# Altium PCB carrier.PcbDoc (part 2 of 5)
Units mil, origin at the board's own origin, x right, y up, seen from the top; angles counter-clockwise.
Board outline 5511.81 x 3425.2 mil, 4 copper layers (Component Side, Power_layer1, Power_layer2, Solder Side), stack 65.912 mil thick; 384 components, 416 nets, 1916 pads, 853 vias.
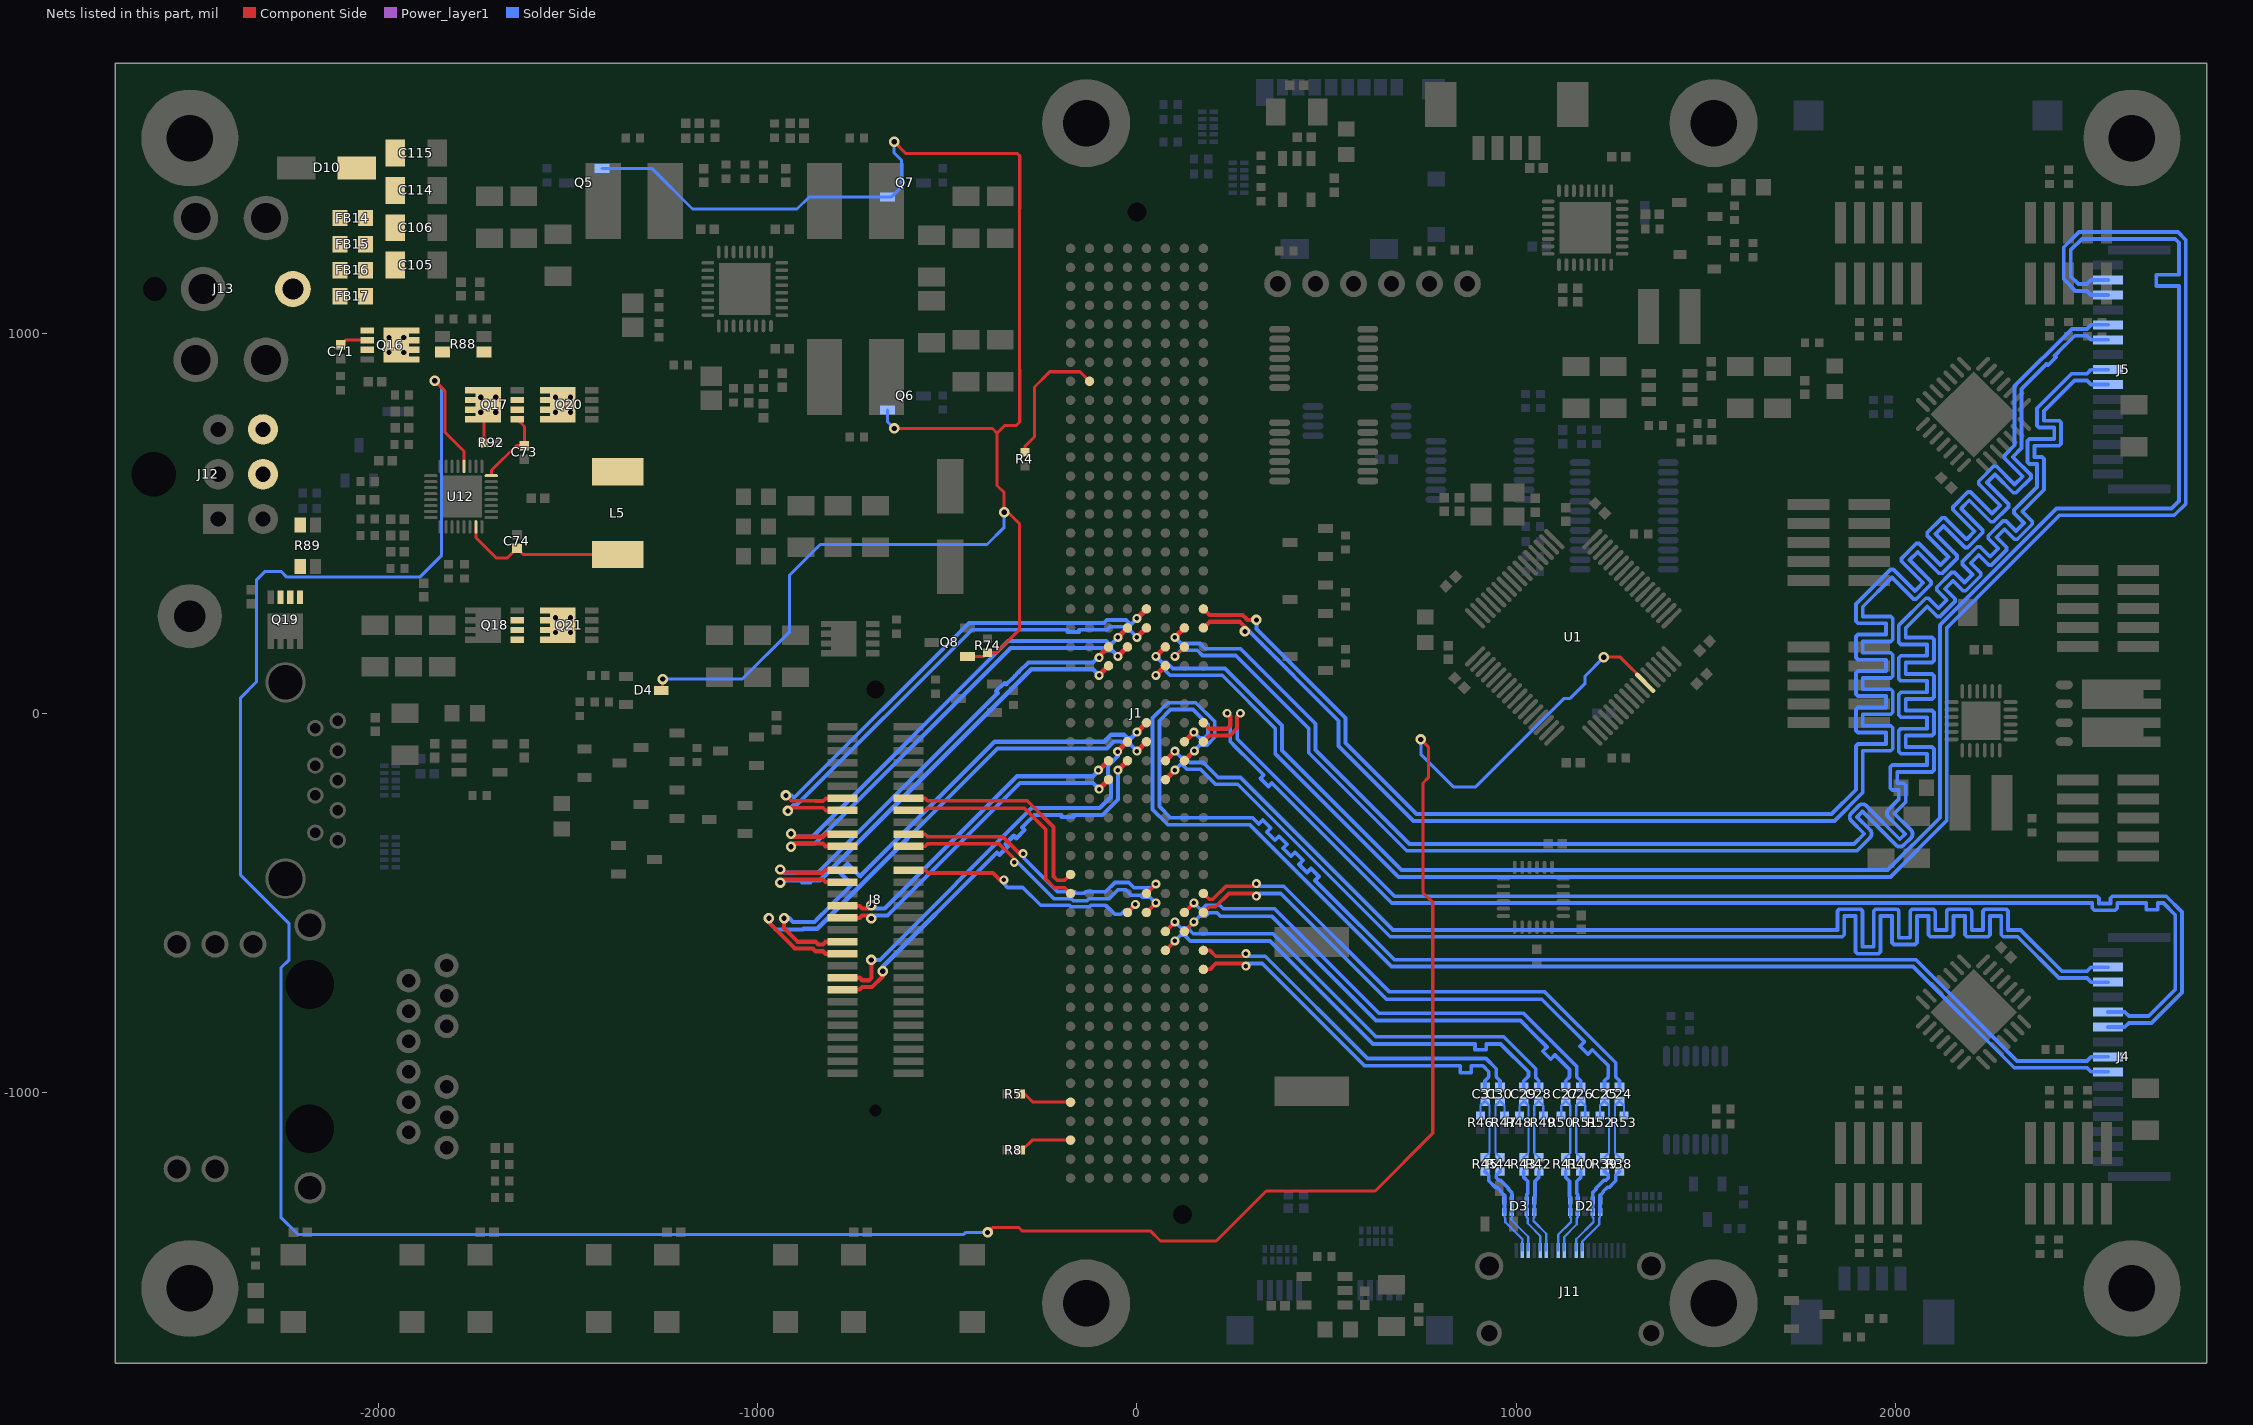
[diagram p4: the nets of this part, all layers, seen from the top]

## Footprints (in the part's own frame and the unit in brackets; to place one, negate y for a bottom-side part, rotate by r counter-clockwise, add the part's x,y. Pads: shape width x height; smd on the part's side, far side on the other; paste and mask are expansions set on the pad) (continued)
m3_pan_tight_round#3 [mm]
  round 6.5 hole 3.1: 1(0,0)
molex_microfit_2x6_90deg [mil]
  rect 80x80 hole 40: 1(118.11,0)
  round 80 hole 40: 2(0,0) 3(-118.11,0) 4(118.11,118.11) 5(0,118.11) 6(-118.11,118.11)
  round 35.43 hole 118.11: 7(0,-170)
  silkscreen extent -250,-350 250,40
molex_picoblade_1x4 [mm]
  rect 0.8x1.6 smd: 1(-1.875,2.9) 2(-0.625,2.9) 3(0.625,2.9) 4(1.875,2.9)
  rect 2.1x3 smd: TAB(-4.425,0) TAB(4.425,0)
  body extent -5.07,-1.97 5.08,3.23, height 3.4
molex_usd [mm] "104031-0811"
  rect 0.85x1.1 smd: 1(3.105,0.25) 2(2.005,0.25) 3(0.905,0.25) 4(-0.195,0.25) 5(-1.295,0.25) 6(-2.395,0.25) 7(-3.495,0.25)
  rect 0.75x1.1 smd: 8(-4.545,0.25)
  rect 1.17x1.8 smd: SHIELD(-5.755,0.6)
  rect 1.9x1.35 smd: SHIELD(-3.73,11.075) SHIELD(2.24,11.075)
  rect 1.55x1.35 smd: SHIELD(5.565,0.375)
  rect 1.2x1 smd: SW1(5.74,6.4) SW2(5.74,10.1)
  silkscreen extent -6,0 6,11.4, body extent -5.98,0 5.97,11.4, height 1.44
NCH_SON65P330X80_HS-9N [mm] "SON, 8-Leads, Body 3.30x3.30mm, Pitch 0.65mm, Thermal Pad 2.27x1.70mm, IPC Medium Density"
  rect 1.7x2.37 smd: D(0.425,0)
  rect 0.9x0.42 smd: D(1.515,0.975) D(1.515,-0.325) D(1.515,0.325) D(1.515,-0.975) G(-1.515,-0.975) S(-1.515,0.975) S(-1.515,-0.325) S(-1.515,0.325)
  silkscreen extent -2.28,-1.83 1.83,1.87, body extent -1.68,-1.68 1.68,1.68, height 0.8
NCH_SOT95P237X110-3N [mm] "SOT23, 3-Leads, Body 2.90x2.37mm, Pitch 0.95mm, IPC Medium Density"
  rect 1x0.6 smd: D(1.2,0) G(-1.2,0.95) S(-1.2,-0.95)
  silkscreen extent -1.33,-1.5 0.7,1.92, body extent -0.7,-1.5 0.7,1.5, height 1.1
NPN_SOT95P230X110-3N [mm] "SOT23, 3-Leads, Body 2.90x2.30mm, Pitch 0.95mm, IPC Medium Density"
  rect 0.9x0.6 smd: B(-1.15,0.95) C(1.15,0) E(-1.15,-0.95)
  silkscreen extent -1.28,-1.5 0.7,1.92, body extent -0.7,-1.5 0.7,1.5, height 1.1
NXP_LFPAK56D127P610X105-8N [mm] "SOIC, 8-Leads, Body 5.13x4.58mm, Pitch 1.27mm, IPC Medium Density"
  oval 1.15x0.6 smd: B1(-2.925,0.635) B2(-2.925,-1.905) E1(-2.925,1.905) E2(-2.925,-0.635)
  rect 4.1x1.97 smd: C1(0.32,1.27) C2(0.32,-1.27)
  rect 1.25x0.7 smd: C1(2.925,0.635)
  rect 1.15x0.7 smd: C1(2.925,1.905) C2(2.925,-1.905) C2(2.925,-0.635)
  silkscreen extent -3.05,-2.65 1.95,2.88, body extent -3.07,-2.55 3.09,2.55, height 1.05
NXP_QFN65P600X600X100_HS-29M [mm] "QFN, 28-Leads, Body 6.00x6.00mm, Pitch 0.65mm, Thermal Pad 4.10x4.10mm, IPC Low Density"
  oval 1.2x0.3 smd: 1(-2.85,1.95) 2(-2.85,1.3) 3(-2.85,0.65) 4(-2.85,0) 5(-2.85,-0.65) 6(-2.85,-1.3) 7(-2.85,-1.95) 15(2.85,-1.95) 16(2.85,-1.3) 17(2.85,-0.65) 18(2.85,0) 19(2.85,0.65) 20(2.85,1.3) 21(2.85,1.95)
  oval 0.3x1.2 smd: 8(-1.95,-2.85) 9(-1.3,-2.85) 10(-0.65,-2.85) 11(0,-2.85) 12(0.65,-2.85) 13(1.3,-2.85) 14(1.95,-2.85) 22(1.95,2.85) 23(1.3,2.85) 24(0.65,2.85) 25(0,2.85) 26(-0.65,2.85) 27(-1.3,2.85) 28(-1.95,2.85)
  rect 4.1x4.1 smd: 29(0,0)
  silkscreen extent -3.97,-3.2 3.2,3.2, body extent -3.05,-3.05 3.05,3.05, height 1
pui_audio_speaker [mm]
  rect 2x2 smd: 1(-8,1) 2(8,1)
  silkscreen extent -9,0 9,13
R1005[0402] [mm] "1005[0402]"
  rect 0.55x0.6 smd: 1(-0.475,0) 2(0.475,0)
  body extent -0.55,-0.3 0.55,0.3, height 0.4
SC_DSK-3R3H224U-HL [mm] "Aluminum Electrolytic Capacitor, Body 7.70x6.80x3.00mm, IPC Low Density"
  rect 2x5 smd: 1(-5,0) 2(5,0)
  silkscreen extent -3.85,-3.4 3.85,3.4, body extent -3.4,-3.4 3.4,3.4, height 3.5
SEAM-50-02.0-XX-08-X-A [mil]
  round 25 smd paste+5: A1(1225,175) A2(1175,175) A3(1125,175) A4(1075,175) A5(1025,175) A6(975,175) A7(925,175) A8(875,175) A9(825,175) A10(775,175) A11(725,175) A12(675,175) A13(625,175) A14(575,175) A15(525,175) A16(475,175) A17(425,175) A18(375,175) A19(325,175) A20(275,175) A21(225,175) A22(175,175) A23(125,175) A24(75,175) A25(25,175) A26(-25,175) A27(-75,175) A28(-125,175) A29(-175,175) A30(-225,175) A31(-275,175) A32(-325,175) A33(-375,175) A34(-425,175) A35(-475,175) A36(-525,175) A37(-575,175) A38(-625,175) A39(-675,175) A40(-725,175) A41(-775,175) A42(-825,175) A43(-875,175) A44(-925,175) A45(-975,175) A46(-1025,175) A47(-1075,175) A48(-1125,175) A49(-1175,175) A50(-1225,175) B1(1225,125) B2(1175,125) B3(1125,125) B4(1075,125) B5(1025,125) B6(975,125) B7(925,125) B8(875,125) B9(825,125) B10(775,125) B11(725,125) B12(675,125) B13(625,125) B14(575,125) B15(525,125) B16(475,125) B17(425,125) B18(375,125) B19(325,125) B20(275,125) B21(225,125) B22(175,125) B23(125,125) B24(75,125) B25(25,125) B26(-25,125) B27(-75,125) B28(-125,125) B29(-175,125) B30(-225,125) B31(-275,125) B32(-325,125) B33(-375,125) B34(-425,125) B35(-475,125) B36(-525,125) B37(-575,125) B38(-625,125) B39(-675,125) B40(-725,125) B41(-775,125) B42(-825,125) B43(-875,125) B44(-925,125) B45(-975,125) B46(-1025,125) B47(-1075,125) B48(-1125,125) B49(-1175,125) B50(-1225,125) C1(1225,75) C2(1175,75) C3(1125,75) C4(1075,75) C5(1025,75) C6(975,75) C7(925,75) C8(875,75) C9(825,75) C10(775,75) C11(725,75) C12(675,75) C13(625,75) C14(575,75) C15(525,75) C16(475,75) C17(425,75) C18(375,75) C19(325,75) C20(275,75) C21(225,75) C22(175,75) C23(125,75) C24(75,75) C25(25,75) C26(-25,75) C27(-75,75) C28(-125,75) C29(-175,75) C30(-225,75) C31(-275,75) C32(-325,75) C33(-375,75) C34(-425,75) C35(-475,75) C36(-525,75) C37(-575,75) C38(-625,75) C39(-675,75) C40(-725,75) C41(-775,75) C42(-825,75) C43(-875,75) C44(-925,75) C45(-975,75) C46(-1025,75) C47(-1075,75) C48(-1125,75) C49(-1175,75) C50(-1225,75) D1(1225,25) D2(1175,25) D3(1125,25) D4(1075,25) D5(1025,25) D6(975,25) D7(925,25) D8(875,25) D9(825,25) D10(775,25) D11(725,25) D12(675,25) D13(625,25) D14(575,25) D15(525,25) D16(475,25) D17(425,25) D18(375,25) D19(325,25) D20(275,25) D21(225,25) D22(175,25) D23(125,25) D24(75,25) D25(25,25) D26(-25,25) D27(-75,25) D28(-125,25) D29(-175,25) D30(-225,25) D31(-275,25) D32(-325,25) D33(-375,25) D34(-425,25) D35(-475,25) D36(-525,25) D37(-575,25) D38(-625,25) D39(-675,25) D40(-725,25) D41(-775,25) D42(-825,25) D43(-875,25) D44(-925,25) D45(-975,25) D46(-1025,25) D47(-1075,25) D48(-1125,25) D49(-1175,25) D50(-1225,25) E1(1225,-25) E2(1175,-25) E3(1125,-25) E4(1075,-25) E5(1025,-25) E6(975,-25) E7(925,-25) E8(875,-25) E9(825,-25) E10(775,-25) E11(725,-25) E12(675,-25) E13(625,-25) E14(575,-25) E15(525,-25) E16(475,-25) E17(425,-25) E18(375,-25) E19(325,-25) E20(275,-25) E21(225,-25) E22(175,-25) E23(125,-25) E24(75,-25) E25(25,-25) E26(-25,-25) E27(-75,-25) E28(-125,-25) E29(-175,-25) E30(-225,-25) E31(-275,-25) E32(-325,-25) E33(-375,-25) E34(-425,-25) E35(-475,-25) E36(-525,-25) E37(-575,-25) E38(-625,-25) E39(-675,-25) E40(-725,-25) E41(-775,-25) E42(-825,-25) E43(-875,-25) E44(-925,-25) E45(-975,-25) E46(-1025,-25) E47(-1075,-25) E48(-1125,-25) E49(-1175,-25) E50(-1225,-25) F1(1225,-75) F2(1175,-75) F3(1125,-75) F4(1075,-75) F5(1025,-75) F6(975,-75) F7(925,-75) F8(875,-75) F9(825,-75) F10(775,-75) F11(725,-75) F12(675,-75) F13(625,-75) F14(575,-75) F15(525,-75) F16(475,-75) F17(425,-75) F18(375,-75) F19(325,-75) F20(275,-75) F21(225,-75) F22(175,-75) F23(125,-75) F24(75,-75) F25(25,-75) F26(-25,-75) F27(-75,-75) F28(-125,-75) F29(-175,-75) F30(-225,-75) F31(-275,-75) F32(-325,-75) F33(-375,-75) F34(-425,-75) F35(-475,-75) F36(-525,-75) F37(-575,-75) F38(-625,-75) F39(-675,-75) F40(-725,-75) F41(-775,-75) F42(-825,-75) F43(-875,-75) F44(-925,-75) F45(-975,-75) F46(-1025,-75) F47(-1075,-75) F48(-1125,-75) F49(-1175,-75) F50(-1225,-75) G1(1225,-125) G2(1175,-125) G3(1125,-125) G4(1075,-125) G5(1025,-125) G6(975,-125) G7(925,-125) G8(875,-125) G9(825,-125) G10(775,-125) G11(725,-125) G12(675,-125) G13(625,-125) G14(575,-125) G15(525,-125) G16(475,-125) G17(425,-125) G18(375,-125) G19(325,-125) G20(275,-125) G21(225,-125) G22(175,-125) G23(125,-125) G24(75,-125) G25(25,-125) G26(-25,-125) G27(-75,-125) G28(-125,-125) G29(-175,-125) G30(-225,-125) G31(-275,-125) G32(-325,-125) G33(-375,-125) G34(-425,-125) G35(-475,-125) G36(-525,-125) G37(-575,-125) G38(-625,-125) G39(-675,-125) G40(-725,-125) G41(-775,-125) G42(-825,-125) G43(-875,-125) G44(-925,-125) G45(-975,-125) G46(-1025,-125) G47(-1075,-125) G48(-1125,-125) G49(-1175,-125) G50(-1225,-125) H1(1225,-175) H2(1175,-175) H3(1125,-175) H4(1075,-175) H5(1025,-175) H6(975,-175) H7(925,-175) H8(875,-175) H9(825,-175) H10(775,-175) H11(725,-175) H12(675,-175) H13(625,-175) H14(575,-175) H15(525,-175) H16(475,-175) H17(425,-175) H18(375,-175) H19(325,-175) H20(275,-175) H21(225,-175) H22(175,-175) H23(125,-175) H24(75,-175) H25(25,-175) H26(-25,-175) H27(-75,-175) H28(-125,-175) H29(-175,-175) H30(-225,-175) H31(-275,-175) H32(-325,-175) H33(-375,-175) H34(-425,-175) H35(-475,-175) H36(-525,-175) H37(-575,-175) H38(-625,-175) H39(-675,-175) H40(-725,-175) H41(-775,-175) H42(-825,-175) H43(-875,-175) H44(-925,-175) H45(-975,-175) H46(-1025,-175) H47(-1075,-175) H48(-1125,-175) H49(-1175,-175) H50(-1225,-175)
  round 0 hole 50 unplated: MH1(1320.5,0) MH2(-1320.5,-120)
  silkscreen extent -1368,-259 1403,259
SMA_DIOM5226X22N [mm] "Molded Diode, 2-Leads, Body 5.21x2.60mm, IPC Medium Density"
  rect 2.55x1.55 smd: A(2.025,0) C(-2.025,0)
  silkscreen extent -3.58,-1.5 2.8,1.5, body extent -2.8,-1.46 2.8,1.46, height 2.2
STM-LQFP64_N [mm] "Thin QFP, 64-Leads, Body 10x10mm, Pitch 0.5mm, IPC Medium Density"
  oval 1.8x0.3 smd: 1(-5.55,3.75) 2(-5.55,3.25) 3(-5.55,2.75) 4(-5.55,2.25) 5(-5.55,1.75) 6(-5.55,1.25) 7(-5.55,0.75) 8(-5.55,0.25) 9(-5.55,-0.25) 10(-5.55,-0.75) 11(-5.55,-1.25) 12(-5.55,-1.75) 13(-5.55,-2.25) 14(-5.55,-2.75) 15(-5.55,-3.25) 16(-5.55,-3.75) 33(5.55,-3.75) 34(5.55,-3.25) 35(5.55,-2.75) 36(5.55,-2.25) 37(5.55,-1.75) 38(5.55,-1.25) 39(5.55,-0.75) 40(5.55,-0.25) 41(5.55,0.25) 42(5.55,0.75) 43(5.55,1.25) 44(5.55,1.75) 45(5.55,2.25) 46(5.55,2.75) 47(5.55,3.25) 48(5.55,3.75)
  oval 0.3x1.8 smd: 17(-3.75,-5.55) 18(-3.25,-5.55) 19(-2.75,-5.55) 20(-2.25,-5.55) 21(-1.75,-5.55) 22(-1.25,-5.55) 23(-0.75,-5.55) 24(-0.25,-5.55) 25(0.25,-5.55) 26(0.75,-5.55) 27(1.25,-5.55) 28(1.75,-5.55) 29(2.25,-5.55) 30(2.75,-5.55) 31(3.25,-5.55) 32(3.75,-5.55) 49(3.75,5.55) 50(3.25,5.55) 51(2.75,5.55) 52(2.25,5.55) 53(1.75,5.55) 54(1.25,5.55) 55(0.75,5.55) 56(0.25,5.55) 57(-0.25,5.55) 58(-0.75,5.55) 59(-1.25,5.55) 60(-1.75,5.55) 61(-2.25,5.55) 62(-2.75,5.55) 63(-3.25,5.55) 64(-3.75,5.55)
  silkscreen extent -5.67,-4.25 4.25,4.57, body extent -5,-5 5,5, height 1.6
SW_6MM_TACT [mm] "6mm Tactile switch"
  rect 1.45x1.7 smd: 1(-2.25,3.975) 1(2.25,3.975) 2(-2.25,-3.975) 2(2.25,-3.975)
  body extent -3,-3 3,3, height 4.4
TI_PSON50P100X55-10N [mm] "PSON, 10-Leads, Body 2.50x1.00mm, Pitch 0.50mm, IPC Medium Density"
  rect 0.55x0.3 smd: 1(-0.385,1) 1(0.385,1) 2(-0.385,0.5) 2(0.385,0.5) 4(-0.385,-0.5) 4(0.385,-0.5) 5(-0.385,-1) 5(0.385,-1)
  rect 0.55x0.4 smd: 3(-0.385,0) 3(0.385,0)
  silkscreen extent -1,-1.45 0.55,1.5, body extent -0.55,-1.3 0.55,1.3, height 0.55
TI_QFN40P400X400X80_HS-33M [mm] "QFN, 32-Leads, Body 4.00x4.00mm, Pitch 0.40mm, Thermal Pad 2.80x2.80mm, IPC Low Density"
  oval 0.9x0.2 smd: 1(-2.025,1.4) 2(-2.025,1) 3(-2.025,0.6) 4(-2.025,0.2) 5(-2.025,-0.2) 6(-2.025,-0.6) 7(-2.025,-1) 8(-2.025,-1.4) 17(2.025,-1.4) 18(2.025,-1) 19(2.025,-0.6) 20(2.025,-0.2) 21(2.025,0.2) 22(2.025,0.6) 23(2.025,1) 24(2.025,1.4)
  oval 0.2x0.9 smd: 9(-1.4,-2.025) 10(-1,-2.025) 11(-0.6,-2.025) 12(-0.2,-2.025) 13(0.2,-2.025) 14(0.6,-2.025) 15(1,-2.025) 16(1.4,-2.025) 25(1.4,2.025) 26(1,2.025) 27(0.6,2.025) 28(0.2,2.025) 29(-0.2,2.025) 30(-0.6,2.025) 31(-1,2.025) 32(-1.4,2.025)
  rect 2.8x2.8 smd: 33(0,0)
  silkscreen extent -3,-2.22 2.22,2.22, body extent -2.07,-2.07 2.07,2.07, height 0.8
TI_QFN50P400X400X80_HS-25M [mm] "QFN, 24-Leads, Body 4.00x4.00mm, Pitch 0.50mm, Thermal Pad 2.60x2.60mm, IPC Low Density"
  oval 0.95x0.25 smd: 1(-1.975,1.25) 2(-1.975,0.75) 3(-1.975,0.25) 4(-1.975,-0.25) 5(-1.975,-0.75) 6(-1.975,-1.25) 13(1.975,-1.25) 14(1.975,-0.75) 15(1.975,-0.25) 16(1.975,0.25) 17(1.975,0.75) 18(1.975,1.25)
  oval 0.25x0.95 smd: 7(-1.25,-1.975) 8(-0.75,-1.975) 9(-0.25,-1.975) 10(0.25,-1.975) 11(0.75,-1.975) 12(1.25,-1.975) 19(1.25,1.975) 20(0.75,1.975) 21(0.25,1.975) 22(-0.25,1.975) 23(-0.75,1.975) 24(-1.25,1.975)
  rect 2.6x2.6 smd: 25(0,0)
  silkscreen extent -2.97,-2.2 2.2,2.2, body extent -2.05,-2.05 2.05,2.05, height 0.8
TI_QFN50P500X500X100_HS-33M [mm] "QFN, 32-Leads, Body 5.00x5.00mm, Pitch 0.50mm, Thermal Pad 3.45x3.45mm, IPC Low Density"
  oval 0.85x0.25 smd: 1(-2.475,1.75) 2(-2.475,1.25) 3(-2.475,0.75) 4(-2.475,0.25) 5(-2.475,-0.25) 6(-2.475,-0.75) 7(-2.475,-1.25) 17(2.475,-1.75) 18(2.475,-1.25) 19(2.475,-0.75) 20(2.475,-0.25) 21(2.475,0.25) 22(2.475,0.75) 23(2.475,1.25) 24(2.475,1.75)
  oval 0.8x0.25 smd: 8(-2.475,-1.75)
  oval 0.25x0.85 smd: 9(-1.75,-2.475) 10(-1.25,-2.475) 11(-0.75,-2.475) 12(-0.25,-2.475) 13(0.25,-2.475) 14(0.75,-2.475) 15(1.25,-2.475) 16(1.75,-2.475) 25(1.75,2.475) 26(1.25,2.475) 27(0.75,2.475) 28(0.25,2.475) 29(-0.25,2.475) 30(-0.75,2.475) 31(-1.25,2.475) 32(-1.75,2.475)
  rect 3.45x3.45 smd: 33(0,0)
  silkscreen extent -3.5,-2.73 2.73,2.73, body extent -2.58,-2.57 2.57,2.58, height 1
TI_SOT95P280X110-6N [mm] "SOT23, 6-Leads, Body 2.90x2.80mm, Pitch 0.95mm, IPC Medium Density"
  rect 1x0.6 smd: 1(-1.375,0.95) 2(-1.375,0) 3(-1.375,-0.95) 4(1.375,-0.95) 5(1.375,0) 6(1.375,0.95)
  silkscreen extent -1.5,-1.55 0.5,1.92, body extent -0.88,-1.52 0.87,1.53, height 1.1
TI_SOT95P280X145-5N [mm] "SOT23, 5-Leads, Body 2.90x2.80mm, Pitch 0.95mm, IPC Medium Density"
  rect 1x0.6 smd: 1(-1.375,0.95) 2(-1.375,0) 3(-1.375,-0.95) 4(1.375,-0.95) 5(1.375,0.95)
  silkscreen extent -1.5,-1.55 0.5,1.93, body extent -0.88,-1.52 0.87,1.53, height 1.45
TI_TSOP65P640X120-14N [mm] "TSOP, 14-Leads, Body 5.00x4.40mm, Pitch 0.65mm, IPC Medium Density"
  oval 1.4x0.45 smd: 1(-2.95,1.95) 2(-2.95,1.3) 3(-2.95,0.65) 4(-2.95,0) 5(-2.95,-0.65) 6(-2.95,-1.3) 7(-2.95,-1.95) 8(2.95,-1.95) 9(2.95,-1.3) 10(2.95,-0.65) 11(2.95,0) 12(2.95,0.65) 13(2.95,1.3) 14(2.95,1.95)
  silkscreen extent -3.07,-2.55 1.85,2.85, body extent -2.25,-2.55 2.25,2.55, height 1.2
TI_TSOP65P640X120-24N [mm] "TSOP, 24-Leads, Body 7.80x4.40mm, Pitch 0.65mm, IPC Medium Density"
  oval 1.4x0.45 smd: 1(-2.95,3.575) 2(-2.95,2.925) 3(-2.95,2.275) 4(-2.95,1.625) 5(-2.95,0.975) 6(-2.95,0.325) 7(-2.95,-0.325) 8(-2.95,-0.975) 9(-2.95,-1.625) 10(-2.95,-2.275) 11(-2.95,-2.925) 12(-2.95,-3.575) 13(2.95,-3.575) 14(2.95,-2.925) 15(2.95,-2.275) 16(2.95,-1.625) 17(2.95,-0.975) 18(2.95,-0.325) 19(2.95,0.325) 20(2.95,0.975) 21(2.95,1.625) 22(2.95,2.275) 23(2.95,2.925) 24(2.95,3.575)
  silkscreen extent -3.08,-3.95 1.85,4.47, body extent -2.25,-3.95 2.25,3.95, height 1.2
usb3_a [mm] "Molex 48405-000X"
  round 1.1 hole 0.7: 1(-3.5,2) 2(-1,2) 3(1,2) 4(3.5,2) 5(4,3.5) 6(2,3.5) 7(0,3.5) 8(-2,3.5) 9(-4,3.5)
  round 2.7 hole 2.3: SHIELD(-6.57,0) SHIELD(6.57,0)
  silkscreen extent -7,-11.5 6.5,4.8, body extent -7.73,-11.75 7.73,4.75, height 7.56
usb3_micro_ab [mm]
  rect 0.4x1.35 smd: 1(-1.3,4.125) 1(-1.3,4.125) 2(-0.65,4.125) 3(0,4.125) 4(0.65,4.125) 5(1.3,4.125) 6(5.4,4.125) 6(5.4,4.125) 7(6.05,4.125) 8(6.7,4.125) 9(7.35,4.125) 10(8,4.125)
  rect 1.8x1.9 smd: SHIELD(-4,1.45) SHIELD(9.35,1.45)
  silkscreen extent -4,0 9.5,4.1, body extent -4.4,-1.33 9.75,4.37, height 2.7
VISHAY_IHLM2525CZERXXXM01 [mm] "Molded Inductor, 2-Leads, Body 6.86x6.47mm, IPC Medium Density"
  rect 1.83x3.43 smd: 1(-2.77,0) 2(2.77,0)
  silkscreen extent -3.65,-3.4 3.65,3.4, body extent -3.62,-3.36 3.62,3.36, height 3
wurth_hdmi_mini [mm]
  rect 0.23x1 smd: 1(3.6,1.05) 2(3.2,1.05) 3(2.8,1.05) 4(2.4,1.05) 5(2,1.05) 6(1.6,1.05) 7(1.2,1.05) 8(0.8,1.05) 9(0.4,1.05) 10(0,1.05) 11(-0.4,1.05) 12(-0.8,1.05) 13(-1.2,1.05) 14(-1.6,1.05) 15(-2,1.05) 16(-2.4,1.05) 17(-2.8,1.05) 18(-3.2,1.05) 19(-3.6,1.05)
  round 1.7 hole 1.1: SHIELD(-5.425,-4.5) SHIELD(5.425,-4.5)
  round 1.9 hole 1.3: SHIELD(-5.425,0) SHIELD(5.425,0)
  silkscreen extent -5.6,-6.5 5.6,1.4, body extent -5.62,-6.5 5.63,1.4, height 3.3
YUDEN_NRS4018T-XXXMDGJ [mm] "Molded Inductor, 2-Leads, Body 4.00x4.00mm, IPC Medium Density"
  rect 1.4x3.7 smd: 1(-1.4,0) 2(1.4,0)
  silkscreen extent -1.91,-2.16 1.91,2.16, body extent -2.1,-2.1 2.1,2.1, height 1.8

## Part data
C1 C2 C3 C4 C5 C6 C7 C8 C9 C10 C11 C12 C13 C14_SR1 C14_SR2 C15 C16 C17 C18 C19 C20 C21 C22 C23 C24 C25 C26 C27 C28 C29 C30 C31 C32 C33 C34 C35 C36 C37 C38 C40 C41 C42 C43 C44 C45 C46 C47 C48 C49 C50 C51 C52 C53 C54 C55 C56 C57 C58 C59 C60 C61 C62 C63 C64 C65 C66 C67 C68 C69 C70 C71 C72 C73 C74 C75 C76 C77 C78 C79 C80 C81 C82 C83 C84 C85 C86 C87 C88 C89 C90 C91 C92 C93 C94 C95 C96 C97 C98 C99 C100 C101 C102 C103 C104 C105 C106 C107 C108 C109 C110 C111 C112 C114 C115 C116 C117 C118 C119 C120 C121 C122 C123: "Capacitor", Voltage=25V
  C1 C2 C3 C4 C5 C6 C7 C8 C9 C10 C11 C12 C13 C14_SR1 C14_SR2 C15 C16 C17 C18 C19 C20 C21 C22 C23 C24 C25 C26 C27 C28 C29 C30 C31 C32 C34 C35 C36 C40 C41 C42 C43 C45 C46 C47 C50 C51 C52 C53 C54 C55 C56 C57 C59 C60 C61 C64 C65 C66 C67 C68 C69 C70 C72 C73 C74 C75 C76 C77 C78 C79 C80 C81 C82 C83 C84 C85 C86 C87 C88 C89 C90 C91 C92 C93 C94 C95 C96 C97 C98 C99 C100 C101 C102 C103 C104 C105 C106 C107 C108 C109 C110 C111 C112 C114 C115 C116 C117 C118 C119 C120 C121 C122 C123: Type=X7R
  C33 C37 C38 C44 C48 C49 C58 C62 C63 C71: Type=X5R
C39 C113: "Polarized capacitor", Voltage=25V, Type=El
D1 D2 D3 D11 D12 D13 D14 D15 D16: library part tpd4e05u06
D4 D5: library part diode_dual_cc
D6 D7 D8: library part diode_led
D9: library part diode_dual_ca_zener, Voltage=3.6V
D10: library part diode_tvs_unidirectional
FB1 FB5 FB11 FB12 FB13 FB14 FB15 FB16 FB17 FB18 FB19: library part ferrite_bead, "Ferrite bead"
FB2 FB3 FB4 FB6 FB7 FB8 FB9 FB10 FB21 FB25: library part ferrite_bead, Frequency=100M
J1: "0.050\" TERMINAL ASSEMBLY.", Manufacturer=SAMTEC, CREATED="December 10, 2015 -Wendy Xin", PCB DECAL=SEAM-50-02.0-XX-08-X-A
J2: library part header_1x6
J3 J6_SR1 J6_SR2 J7_SR1 J7_SR2 J17 J18 J19: "TERMINAL STRIP, .050\"(1.27mm) PITCH, 10 PINS, KEYED", Manufacturer=SAMTEC, CREATED="November 30, 2016 - Wendy Xin", PCB DECAL=FTSH-105-01-XXX-DV-K
J8: library part mezzanine_2x30
J10: library part geth_wmagnetics, "RJ45 with integrated magnetics"
J11: library part hdmi_mini_c
J12: library part microfit_2x3
J13: library part dc_jack_shielded, digikey#=CP-082BHCT-ND, mouser#=490-PJ-082BH
J16 J20: library part header_1x4
L1 L2 L4: library part ind, Current=4.5A
L3: library part ind, Current=2A
L5: library part ind, Current=8A
L6: library part ind, Current=2.2A
MH1 MH2 MH3 MH4 MH5 MH7 MH8 MH9 MH10: library part mounting_hole
Q1 Q2 Q3 Q4 Q5 Q6 Q7 Q8 Q9 Q10 Q12 Q13 Q14 Q15 Q25 Q26: library part nch_mosfet
Q11 Q16 Q19: library part pch_mosfet_diode
Q17 Q18 Q20 Q21: library part nch_mosfet_diode
Q22: library part pch_mosfet
Q23: library part npn_bipolar, "NPN Bipolar Transistor", Code_JEDEC=TO-226-AA, LatestRevisionDate=17-Jul-2002, LatestRevisionNote="Re-released for DXP Platform.", PackageDescription="TO, Flat Index; 3 In-Line, Axial Leads; Body Dia. 4.8mm; Leads 0.55 x 0.51 mm (max)", PackageReference=TO-226-AA, Published=8-Jun-2000, Publisher="Altium Limited"
Q24: library part pnp_bipolar_dual, "PNP Bipolar Transistor", LatestRevisionDate=29-May-2009, LatestRevisionNote="IPC-7351 Footprint Added.", PackageDescription="3-Pin SOT-23 Package 0.95 mm Pitch, 2.4 mm Lead Span", PackageReference=SOT-23B, PackageVersion=Aug-1999, Published=8-Jun-2000, Publisher="Altium Limited"
R1 R2 R3 R4 R5 R6 R7 R8 R9 R10 R11 R12 R17 R18 R19 R20 R21 R23 R24 R25 R26 R27 R28 R30 R32 R33 R34 R35 R36 R37 R38 R39 R40 R41 R42 R43 R44 R45 R46 R47 R48 R49 R50 R51 R52 R53 R54 R55 R56 R57 R58 R59 R60 R61 R62 R63 R64 R65 R66 R67 R68 R69 R70 R71 R72 R73 R74 R75 R76 R77 R78 R79 R80 R81 R82 R83 R84 R85 R86 R87 R88 R89 R90 R91 R92 R93 R94 R95 R96 R97 R98 R99 R100 R101 R102 R103 R104 R105 R106 R107 R125 R126 R127: "Resistor"
R13_SR1 R13_SR2 R14_SR1 R14_SR2 R15_SR1 R15_SR2 R16_SR1 R16_SR2 R22 R29 R31 R108 R109 R112 R113_SR1 R113_SR2 R114_SR1 R114_SR2 R115_SR1 R115_SR2 R116_SR1 R116_SR2 R117_SR1 R117_SR2 R118_SR1 R118_SR2 R119_SR1 R119_SR2 R120_SR1 R120_SR2 R128 R129 R130: "Resistor", Tolerance=5%
S1 S2 S3 S4: library part btn
  S1: Text=PWR
  S2: Text=RST
  S3: Text=REC
  S4: Text=SLP
SPK1: library part speaker
U1: "ARM Cortex-M4 32-bit MCU+FPU, 210 DMIPS, 1024 kB Flash, 192 kB Internal RAM, 51 I/Os, 64-pin LQFP, -40 to 85 degC, Tray", I/Os (High Current)=51, Manufacturer=STMicroelectronics, Operating Frequency(F) (Processor speed) (MHz)=168, Supplier Part Number 1=497-11907-ND, Supply Voltage(Vcc) max (V)=3.6, Supply Voltage(Vcc) min (V)=1.8, ComponentLink1Description="Manufacturer URL", ComponentLink1URL=http://www.st.com/web/en/home.html, ComponentLink2Description=Datasheet, ComponentLink2URL=http://www.st.com/st-web-ui/static/active/en/resource/technical/document/datasheet/DM00035129.pdf, ComponentLink3Description="Package Specification", ComponentLink3URL=http://www.st.com/st-web-ui/static/active/en/resource/technical/document/datasheet/DM00037051.pdf, Core="ARM Cortex-M4", D/A Converter=2x12-bit, DatasheetVersion="Rev. 4", FLASH Size (Prog) (kB)=1024, Internal RAM Size (kB)=192, Mounting Technology="Surface Mount", PackageDescription="64-Pin Low Profile Quad Flat Package, 10 x 10 mm Body, 0.5 mm Pitch", PackageReference=LQFP64, PackageVersion="Rev. 4, 06/2013", Packing=Tray, PartNumber=STM32F415RGT6, Supplier 1=Digi-Key, Supplier 2=Farnell, Supplier 3=Newark, Supplier 4=Mouser, Supplier Part Number 2=2064370, Supplier Part Number 3=73T2335, Supplier Part Number 4=511-STM32F415RGT6
U2 U4 U7 U9: library part lsf0204
U3: library part tca9548a
U5: library part at24c02d
U6_SR1 U6_SR2: library part pca9685
U8 U13 U14: library part tps2065c
U12: library part bq25703a
U15: library part tlv320aic3100
U16: library part lm3549
U17: library part invsense_mpu6000
X1: "Crystal with shield"

## Via types
v1: diameter 27.56, hole 13.78, Component Side to Solder Side, 418 vias
v2: diameter 27.56, hole 13.78, Component Side to Solder Side, tented both sides, 128 vias
v3: diameter 23.62, hole 11.81, Component Side to Solder Side, tented top, 101 vias
v4: diameter 27.56, hole 13.78, Component Side to Solder Side, tented top, 72 vias
v5: diameter 27.56, hole 15.75, Component Side to Solder Side, 48 vias
v6: diameter 23.62, hole 11.81, Component Side to Solder Side, 39 vias
v7: diameter 27.56, hole 13.78, Component Side to Solder Side, tented bottom, 36 vias
v8: diameter 27.56, hole 15.75, Component Side to Solder Side, tented bottom, 7 vias
v9: diameter 50, hole 28, Component Side to Solder Side, 2 vias
v10: diameter 23.62, hole 11.81, Component Side to Solder Side, tented bottom, 2 vias
